# KiCad board 8851_HW-U1-VCU118_REV2-0_071417.kicad_pcb (continued)
## Routing (per net, layer and track width the routed paths; a pad name or vN(x,y) marks a point on that pad's centre or on a via; arc(x,y) is an arc through that point) (continued)
  17_GND w0.5: J31.3 15.15,97 ; J31.3 16.12,96.67 ; J31.3 14.18,94.74 ; J31.3 14.18,96.67 ; J31.3 15.15,94.4 ; J31.3 16.12,94.74 ; J31.3 13.85,95.7 ; J31.3 16.45,95.7 ; J32.5 61.83,107.45 ; J32.5 60.53,106.15 ; J32.5 59.56,108.42 ; J32.5 59.56,106.49 ; J32.5 61.49,108.42 ; J32.5 59.23,107.45 ; J32.5 61.49,106.49 ; J32.5 60.53,108.75 ; 78.73,132.45 J34.2 ; J34.2 80.99,131.49 ; J34.2 80.03,131.15 ; J34.2 81.33,132.45 ; J34.2 79.06,133.42 ; J34.2 80.03,133.75 ; J34.2 79.06,131.49 ; J34.2 80.99,133.42 ; J35.5 74.58,127.45 ; J35.5 74.24,126.49 ; J35.5 71.98,127.45 ; J35.5 73.28,128.75 ; J35.5 72.31,126.49 ; J35.5 73.28,126.15 ; J35.5 72.31,128.42 ; J35.5 74.24,128.42 ; 26.9,94.4 J30.3 ; J30.3 26.9,97 ; J30.3 27.87,96.67 ; J30.3 28.2,95.7 ; J30.3 25.93,96.67 ; J30.3 25.6,95.7 ; J30.3 27.87,94.74 ; J30.3 25.93,94.74 ; J33.5 60.53,97 ; J33.5 59.56,94.74 ; J33.5 59.56,96.67 ; J33.5 61.83,95.7 ; J33.5 61.49,94.74 ; J33.5 61.49,96.67 ; J33.5 60.53,94.4 ; J33.5 59.23,95.7 ; J35.3 69.58,127.45 ; J35.3 69.24,126.49 ; J35.3 67.31,128.42 ; J35.3 68.28,128.75 ; J35.3 66.98,127.45 ; J35.3 68.28,126.15 ; J35.3 69.24,128.42 ; J35.3 67.31,126.49 ; J31.4 21.12,99.74 ; J31.4 19.18,101.67 ; J31.4 21.12,101.67 ; J31.4 20.15,99.4 ; J31.4 19.18,99.74 ; J31.4 20.15,102 ; J31.4 21.45,100.7 ; J31.4 18.85,100.7 ; J30.2 28.2,100.7 ; J30.2 25.6,100.7 ; J30.2 25.93,101.67 ; J30.2 25.93,99.74 ; J30.2 26.9,102 ; J30.2 27.87,101.67 ; J30.2 27.87,99.74 ; J30.2 26.9,99.4 ; J34.5 85.99,126.49 ; J34.5 85.03,128.75 ; J34.5 84.06,126.49 ; J34.5 85.03,126.15 ; J34.5 86.33,127.45 ; J34.5 83.73,127.45 ; J34.5 85.99,128.42 ; J34.5 84.06,128.42 ; 60.53,99.4 J33.4 ; J33.4 59.56,101.67 ; J33.4 61.83,100.7 ; J33.4 61.49,99.74 ; J33.4 60.53,102 ; J33.4 59.23,100.7 ; J33.4 61.49,101.67 ; J33.4 59.56,99.74 ; 30.93,94.74 J30.5 ; J30.5 31.9,94.4 ; J30.5 30.93,96.67 ; J30.5 32.87,94.74 ; J30.5 33.2,95.7 ; J30.5 32.87,96.67 ; J30.5 31.9,97 ; J30.5 30.6,95.7 ; 19.18,96.67 J31.5 ; J31.5 21.12,94.74 ; J31.5 20.15,94.4 ; J31.5 20.15,97 ; J31.5 21.12,96.67 ; J31.5 18.85,95.7 ; J31.5 19.18,94.74 ; J31.5 21.45,95.7 ; J32.2 56.83,112.45 ; J32.2 55.53,111.15 ; J32.2 55.53,113.75 ; J32.2 54.56,111.49 ; J32.2 56.49,113.42 ; J32.2 56.49,111.49 ; J32.2 54.56,113.42 ; J32.2 54.23,112.45 ; J35.4 74.24,133.42 ; J35.4 74.58,132.45 ; J35.4 72.31,133.42 ; J35.4 71.98,132.45 ; J35.4 72.31,131.49 ; J35.4 74.24,131.49 ; J35.4 73.28,131.15 ; J35.4 73.28,133.75 ; 55.53,94.4 J33.3 ; J33.3 56.49,96.67 ; J33.3 54.23,95.7 ; J33.3 54.56,96.67 ; J33.3 56.49,94.74 ; J33.3 55.53,97 ; J33.3 56.83,95.7 ; J33.3 54.56,94.74 ; 54.23,100.7 J33.2 ; J33.2 54.56,99.74 ; J33.2 54.56,101.67 ; J33.2 55.53,99.4 ; J33.2 55.53,102 ; J33.2 56.49,99.74 ; J33.2 56.49,101.67 ; J33.2 56.83,100.7 ; 84.06,133.42 J34.4 ; J34.4 85.03,131.15 ; J34.4 83.73,132.45 ; J34.4 85.99,131.49 ; J34.4 85.99,133.42 ; J34.4 85.03,133.75 ; J34.4 86.33,132.45 ; J34.4 84.06,131.49 ; 79.06,128.42 J34.3 ; J34.3 80.99,128.42 ; J34.3 80.03,126.15 ; J34.3 78.73,127.45 ; J34.3 79.06,126.49 ; J34.3 81.33,127.45 ; J34.3 80.03,128.75 ; J34.3 80.99,126.49 ; J31.2 16.45,100.7 ; J31.2 14.18,101.67 ; J31.2 16.12,101.67 ; J31.2 13.85,100.7 ; J31.2 16.12,99.74 ; J31.2 14.18,99.74 ; J31.2 15.15,99.4 ; J31.2 15.15,102 ; 54.56,108.42 J32.3 ; J32.3 56.83,107.45 ; J32.3 55.53,106.15 ; J32.3 56.49,108.42 ; J32.3 55.53,108.75 ; J32.3 54.56,106.49 ; J32.3 54.23,107.45 ; J32.3 56.49,106.49 ; J30.4 32.87,101.67 ; J30.4 32.87,99.74 ; J30.4 33.2,100.7 ; J30.4 30.6,100.7 ; J30.4 30.93,99.74 ; J30.4 30.93,101.67 ; J30.4 31.9,99.4 ; J30.4 31.9,102 ; 59.56,113.42 J32.4 ; J32.4 61.49,111.49 ; J32.4 59.56,111.49 ; J32.4 60.53,113.75 ; J32.4 60.53,111.15 ; J32.4 61.83,112.45 ; J32.4 59.23,112.45 ; J32.4 61.49,113.42 ; J35.2 69.58,132.45 ; J35.2 67.31,133.42 ; J35.2 69.24,133.42 ; J35.2 68.28,131.15 ; J35.2 67.31,131.49 ; J35.2 69.24,131.49 ; J35.2 68.28,133.75 ; J35.2 66.98,132.45
  18_SIG6 w0.087: v3(52.74,76.92) 51.22,78.43 48.37,78.43 47.76,79.05 47.33,79.05 v3(43.85,82.53)
  18_SIG6 w0.375: 11.81,15.88 14.24,13.45 ; 11.81,15.88 11.81,19.24 ; 11.81,15.88 9.38,18.31 ; 11.81,15.88 15.17,15.88 ; 11.81,15.88 14.24,18.31 ; 11.81,15.88 11.81,12.52 ; 11.81,15.88 8.45,15.88 ; 11.81,15.88 9.38,13.45 ; 35.96,13.45 38.39,15.88 ; 38.39,15.88 35.02,15.88 ; 38.39,15.88 40.81,13.45 ; 11.81,41.05 14.24,38.62 ; 11.81,41.05 11.81,44.41 ; 11.81,41.05 15.17,41.05 ; 11.81,41.05 14.24,43.48 ; 11.81,41.05 9.38,38.62 ; 11.81,41.05 11.81,37.69 ; 11.81,41.05 8.45,41.05 ; 11.81,41.05 9.38,43.48 ; MH6.1 10.69,5.86 ; MH6.1 10.69,12.49 ; MH6.1 11.99,9.18 ; MH6.1 4.06,5.86 ; MH6.1 7.38,13.79 ; MH6.1 2.76,9.18 ; MH6.1 4.06,12.49 ; 7.38,56.39 7.38,59.75 ; 7.38,59.75 4.95,57.32 ; 7.38,59.75 4.02,59.75 ; 7.38,59.75 4.95,62.18 ; 7.38,59.75 9.81,57.32 ; 7.38,59.75 10.74,59.75 ; 7.38,59.75 9.81,62.18 ; 22.67,57.32 25.1,59.75 21.74,59.75 ; 18.24,18.31 20.67,15.88 ; 20.67,15.88 18.24,13.45 ; 20.67,15.88 23.1,18.31 ; 20.67,15.88 24.03,15.88 ; 20.67,15.88 20.67,19.24 ; 20.67,15.88 23.1,13.45 ; 20.67,15.88 17.31,15.88 ; 29.53,15.88 32.89,15.88 ; 29.53,15.88 27.1,13.45 ; 29.53,15.88 27.1,18.31 ; 29.53,15.88 31.96,13.45 ; 29.53,15.88 26.16,15.88 ; 235.81,19.64 MH5.1 232.5,20.94 ; 229.19,171.24 MH1.1 235.81,171.24 ; 4.06,96.54 MH7.1 ; MH7.1 7.38,97.84 ; MH7.1 2.76,93.22 ; MH7.1 4.06,89.91 ; MH7.1 7.38,88.61 ; 20.67,41.05 23.1,43.48 ; 20.67,41.05 18.24,38.62 ; 20.67,41.05 17.31,41.05 ; 20.67,41.05 23.1,38.62 ; 20.67,41.05 24.03,41.05 ; 20.67,41.05 20.67,37.69 ; 20.67,41.05 20.67,44.41 ; 20.67,41.05 18.24,43.48 ; 4.95,32.15 7.38,34.58 ; 7.38,34.58 10.74,34.58 ; 7.38,34.58 7.38,37.94 ; 7.38,34.58 9.81,32.15 ; 7.38,34.58 9.81,37.01 ; 7.38,34.58 4.02,34.58 ; 7.38,34.58 7.38,31.22 ; 7.38,34.58 4.95,37.01 ; 16.24,56.39 16.24,59.75 ; 16.24,59.75 12.88,59.75 ; 16.24,59.75 13.81,57.32 ; 16.24,59.75 18.67,57.32 ; 13.81,32.15 16.24,34.58 ; 16.24,34.58 13.81,37.01 ; 16.24,34.58 19.6,34.58 ; 16.24,34.58 12.88,34.58 ; 16.24,34.58 16.24,37.94 ; 16.24,34.58 18.67,32.15 ; 16.24,34.58 16.24,31.22 ; 16.24,34.58 18.67,37.01 ; 54.03,58.68 54.03,55.32 50.66,55.32 ; 22.67,37.01 25.1,34.58 ; 25.1,34.58 21.74,34.58 ; 25.1,34.58 22.67,32.15 ; 23.87,171.1 27.98,171.1 25.02,168.14
  19_GND w0.375: 25.46,126.16 26.51,126.16 ; 26.51,126.16 26.51,127.21 ; 26.51,126.16 25.72,126.95 ; 26.51,126.16 25.72,125.36 ; 26.51,126.16 27.3,126.95 ; 26.51,126.16 27.3,125.36 ; 26.51,126.16 26.51,125.11 ; 26.51,126.16 27.56,126.16 ; 195.12,14.25 195.12,15.3 ; 195.12,15.3 194.33,14.51 ; 195.12,15.3 195.12,16.35 ; 195.12,15.3 196.18,15.3 ; 195.12,15.3 195.92,14.51 ; 195.12,15.3 194.33,16.09 ; 195.12,15.3 195.92,16.09 ; J24.1 171.04,141.38 ; J24.1 169.46,141.38 ; J24.1 170.25,141.12 ; J24.1 169.46,142.97 ; J24.1 171.04,142.97 ; J24.1 170.25,143.23 ; J24.1 171.3,142.18 ; J24.1 169.2,142.18 ; 44.49,34.58 44.49,35.69 ; 44.49,34.58 45.32,33.74 ; 44.49,34.58 43.65,35.42 ; 44.49,34.58 45.32,35.42 ; 44.49,34.58 43.38,34.58 ; 44.49,34.58 43.65,33.74 ; 44.49,34.58 45.6,34.58 ; 44.49,34.58 44.49,33.47 ; 52.91,30.15 54.03,30.15 ; 54.03,30.15 54.86,30.99 ; 54.03,30.15 55.14,30.15 ; 54.03,30.15 53.19,30.99 ; 54.03,30.15 53.19,29.31 ; 54.03,30.15 54.03,31.26 ; 54.03,30.15 54.86,29.31 ; 54.03,30.15 54.03,29.04 ; 26.12,171.1 27.98,171.1 ; 27.98,171.1 29.84,171.1 ; 27.98,171.1 26.61,169.73 ; 210.02,134.9 211.22,134.9 ; 211.22,134.9 212.11,134 ; 211.22,134.9 211.22,136.1 ; 211.22,134.9 211.22,133.7 ; 211.22,134.9 212.42,134.9 ; 211.22,134.9 210.32,135.8 ; 211.22,134.9 210.32,134 ; 211.22,134.9 212.11,135.8 ; 225.05,62.92 225.05,63.97 ; 225.05,63.97 224.26,63.17 ; 225.05,63.97 224.26,64.76 ; 225.05,63.97 224,63.97 ; 225.05,63.97 225.84,63.17 ; 225.05,63.97 225.05,65.02 ; 225.05,63.97 225.84,64.76 ; 225.05,63.97 226.1,63.97 ; J105.6 102.24,126.32 ; J105.6 102.49,127.11 ; J105.6 100.65,126.32 ; J105.6 101.44,128.16 ; J105.6 101.44,126.06 ; J105.6 100.65,127.9 ; J105.6 102.24,127.9 ; J105.6 100.39,127.11 ; J25.1 221.67,17.22 ; J25.1 221.67,15.63 ; J25.1 220.08,15.63 ; J25.1 220.88,17.48 ; J25.1 219.82,16.43 ; J25.1 221.93,16.43 ; J25.1 220.08,17.22 ; J25.1 220.88,15.37 ; MH4.1 7.1,142.09 ; MH4.1 5.38,146.18 ; MH4.1 3.01,143.81 ; MH4.1 3.65,142.09 ; MH4.1 7.74,143.81 ; MH4.1 7.1,145.53 ; MH4.1 3.65,145.53 ; MH4.1 5.38,141.45 ; 229.3,36.77 230.09,35.98 ; 229.3,36.77 228.51,35.98 ; 229.3,36.77 228.25,36.77 ; 229.3,36.77 230.35,36.77 ; 229.3,36.77 230.09,37.56 ; 229.3,36.77 229.3,35.72 ; 229.3,36.77 228.51,37.56 ; 229.3,36.77 229.3,37.82 ; 229.3,44.27 230.35,44.27 ; 229.3,44.27 230.09,43.48 ; 229.3,44.27 228.51,45.06 ; 229.3,44.27 230.09,45.06 ; 229.3,44.27 229.3,45.32 ; 229.3,44.27 228.51,43.48 ; 229.3,44.27 228.25,44.27 ; 229.3,44.27 229.3,43.22 ; 15.4,60.59 16.24,59.75 ; 16.24,59.75 15.13,59.75 ; 16.24,59.75 17.08,58.91 ; 16.24,59.75 15.4,58.91 ; 16.24,59.75 16.24,60.86 ; 16.24,59.75 17.08,60.59 ; 16.24,59.75 16.24,58.64 ; 16.24,59.75 17.35,59.75 ; 33.96,34.58 34.79,35.42 ; 33.96,34.58 34.79,33.74 ; 33.96,34.58 35.07,34.58 ; 33.96,34.58 33.96,35.69 ; 33.96,34.58 32.84,34.58 ; 33.96,34.58 33.96,33.47 ; 33.96,34.58 33.12,35.42 ; 33.96,34.58 33.12,33.74 ; 19.83,41.89 20.67,41.05 ; 20.67,41.05 19.83,40.21 ; 20.67,41.05 20.67,42.16 ; 20.67,41.05 19.56,41.05 ; 20.67,41.05 21.78,41.05 ; 20.67,41.05 21.51,40.21 ; 20.67,41.05 20.67,39.94 ; 20.67,41.05 21.51,41.89 ; MH2.1 118.47,137.15 ; MH2.1 115.03,133.7 ; MH2.1 118.47,133.7 ; MH2.1 116.75,137.79 ; MH2.1 115.03,137.15 ; MH2.1 114.39,135.43 ; MH2.1 116.75,133.06 ; MH2.1 119.11,135.43 ; 233.75,80.17 234.8,80.17 ; 234.8,80.17 235.59,79.38 ; 234.8,80.17 234.01,80.97 ; 234.8,80.17 234.01,79.38 ; 234.8,80.17 234.8,81.23 ; 234.8,80.17 235.59,80.97 ; 234.8,80.17 234.8,79.12 ; 234.8,80.17 235.85,80.17 ; 24.58,87.85 24.58,88.9 ; 24.58,88.9 23.79,88.11 ; 24.58,88.9 23.79,89.69 ; 24.58,88.9 25.37,89.69 ; 24.58,88.9 25.37,88.11 ; 24.58,88.9 25.63,88.9 ; 24.58,88.9 24.58,89.95 ; 24.58,88.9 23.53,88.9 ; 44.07,171.1 45.93,171.1 ; 44.07,171.1 45.44,169.73 ; 44.07,171.1 42.21,171.1 ; J26.1 196.38,128.35 ; J26.1 197.17,128.09 ; J26.1 197.43,127.3 ; J26.1 195.58,128.09 ; J26.1 195.58,126.51 ; J26.1 197.17,126.51 ; J26.1 196.38,126.25 ; J26.1 195.32,127.3 ; 27.46,64.51 J36.1 ; J36.1 27.2,65.3 ; J36.1 29.04,64.51 ; J36.1 27.46,66.09 ; J36.1 29.04,66.09 ; J36.1 28.25,64.25 ; J36.1 28.25,66.35 ; J36.1 29.3,65.3 ; 10.7,41.05 11.81,41.05 ; 11.81,41.05 12.92,41.05 ; 11.81,41.05 12.65,41.89 ; 11.81,41.05 11.81,42.16 ; 11.81,41.05 10.97,41.89 ; 11.81,41.05 10.97,40.21 ; 11.81,41.05 12.65,40.21 ; 11.81,41.05 11.81,39.94 ; 25.1,34.58 25.94,33.74 ; 25.1,34.58 25.94,35.42 ; 25.1,34.58 26.21,34.58 ; 25.1,34.58 24.26,33.74 ; 25.1,34.58 24.26,35.42 ; 25.1,34.58 25.1,33.47 ; 25.1,34.58 25.1,35.69 ; 25.1,34.58 23.99,34.58 ; 52.91,48.24 54.03,48.24 ; 54.03,48.24 54.86,49.07 ; 54.03,48.24 54.03,47.12 ; 54.03,48.24 54.86,47.4 ; 54.03,48.24 54.03,49.35 ; 54.03,48.24 55.14,48.24 ; 54.03,48.24 53.19,47.4 ; 54.03,48.24 53.19,49.07 ; 33.96,58.64 33.96,59.75 ; 33.96,59.75 33.96,60.86 ; 33.96,59.75 33.12,60.59 ; 33.96,59.75 34.79,60.59 ; 33.96,59.75 32.84,59.75 ; 33.96,59.75 34.79,58.91 ; 33.96,59.75 33.12,58.91 ; 33.96,59.75 35.07,59.75 ; 10.9,102.95 10.9,104 ; 10.9,102.95 11.95,102.95 ; 10.9,102.95 9.85,102.95 ; 10.9,102.95 11.69,102.15 ; 10.9,102.95 11.69,103.74 ; 10.9,102.95 10.11,103.74 ; 10.9,102.95 10.9,101.9 ; 10.9,102.95 10.11,102.15 ; 229.3,33.22 229.3,34.27 ; 229.3,34.27 229.3,35.32 ; 229.3,34.27 230.35,34.27 ; 229.3,34.27 228.51,33.48 ; 229.3,34.27 230.09,35.06 ; 229.3,34.27 228.51,35.06 ; 229.3,34.27 228.25,34.27 ; 229.3,34.27 230.09,33.48 ; 38.39,15.88 39.22,15.04 ; 38.39,15.88 37.27,15.88 ; 38.39,15.88 37.55,15.04 ; 38.39,15.88 39.5,15.88 ; 38.39,15.88 38.39,14.77 ; 193.34,132.92 194.13,133.72 ; 193.34,132.92 193.34,133.97 ; 193.34,132.92 193.34,131.87 ; 193.34,132.92 194.39,132.92 ; 193.34,132.92 192.55,133.72 ; 193.34,132.92 194.13,132.13 ; 193.34,132.92 192.55,132.13 ; 193.34,132.92 192.29,132.92 ; 7.38,90.86 MH7.1 ; MH7.1 5.01,93.22 ; MH7.1 7.38,95.59 ; MH7.1 9.74,93.22 ; MH7.1 9.1,91.5 ; MH7.1 5.65,91.5 ; MH7.1 5.65,94.95 ; MH7.1 9.1,94.95 ; 20.67,14.77 20.67,15.88 ; 20.67,15.88 21.51,16.71 ; 20.67,15.88 20.67,16.99 ; 20.67,15.88 21.51,15.04 ; 20.67,15.88 19.83,16.71 ; 20.67,15.88 21.78,15.88 ; 20.67,15.88 19.56,15.88 ; 20.67,15.88 19.83,15.04 ; 29.53,41.05 29.53,42.16 ; 29.53,41.05 28.69,40.21 ; 29.53,41.05 30.36,40.21 ; 29.53,41.05 28.41,41.05 ; 29.53,41.05 28.69,41.89 ; 29.53,41.05 30.64,41.05 ; 29.53,41.05 29.53,39.94 ; 29.53,41.05 30.36,41.89 ; 207.86,133.34 208.75,132.44 ; 208.75,132.44 208.75,131.24 ; 208.75,132.44 207.86,131.54 ; 208.75,132.44 209.65,131.54 ; 208.75,132.44 207.55,132.44 ; 208.75,132.44 209.95,132.44 ; 208.75,132.44 208.75,133.64 ; 208.75,132.44 209.65,133.34 ; 129.25,18.69 MH3.1 ; MH3.1 127.53,22.77 ; MH3.1 126.89,21.05 ; MH3.1 127.53,19.33 ; MH3.1 130.97,19.33 ; MH3.1 130.97,22.77 ; MH3.1 131.61,21.05 ; MH3.1 129.25,23.41 ; 16.24,34.58 16.24,35.69 ; 16.24,34.58 15.4,33.74 ; 16.24,34.58 16.24,33.47 ; 16.24,34.58 15.4,35.42 ; 16.24,34.58 17.35,34.58 ; 16.24,34.58 17.08,33.74 ; 16.24,34.58 17.08,35.42 ; 16.24,34.58 15.13,34.58 ; J38.1 197.92,35.84 ; J38.1 197.12,34 ; J38.1 198.18,35.05 ; J38.1 196.33,35.84 ; J38.1 196.07,35.05 ; J38.1 196.33,34.26 ; J38.1 197.12,36.1 ; J38.1 197.92,34.26 ; 28.69,16.71 29.53,15.88 ; 29.53,15.88 30.64,15.88 ; 29.53,15.88 30.36,16.71 ; 29.53,15.88 28.41,15.88 ; 29.53,15.88 29.53,16.99 ; 29.53,15.88 28.69,15.04 ; 29.53,15.88 30.36,15.04 ; 29.53,15.88 29.53,14.77 ; 228.25,31.77 229.3,31.77 ; 229.3,31.77 229.3,32.82 ; 229.3,31.77 229.3,30.72 ; 229.3,31.77 230.35,31.77 ; 229.3,31.77 228.51,30.98 ; 229.3,31.77 228.51,32.56 ; 229.3,31.77 230.09,30.98 ; 229.3,31.77 230.09,32.56 ; 228.51,42.56 229.3,41.77 ; 229.3,41.77 229.3,40.72 ; 229.3,41.77 228.25,41.77 ; 229.3,41.77 229.3,42.82 ; 229.3,41.77 230.09,40.98 ; 229.3,41.77 230.09,42.56 ; 229.3,41.77 230.35,41.77 ; 229.3,41.77 228.51,40.98 ; 203.83,132.44 205.03,132.44 ; 203.83,132.44 203.83,133.64 ; 203.83,132.44 204.73,131.54 ; 203.83,132.44 202.63,132.44 ; 203.83,132.44 202.93,131.54 ; 203.83,132.44 204.73,133.34 ; 203.83,132.44 202.93,133.34 ; 203.83,132.44 203.83,131.24 ; 48.92,15.88 49.75,15.04 ; 48.92,15.88 48.08,16.71 ; 48.92,15.88 48.92,16.99 ; 48.92,15.88 48.92,14.77 ; 48.92,15.88 47.8,15.88 ; 48.92,15.88 50.03,15.88 ; 48.92,15.88 48.08,15.04 ; 48.92,15.88 49.75,16.71 ; 218.5,60.25 J23.1 ; J23.1 219.55,61.3 ; J23.1 217.45,61.3 ; J23.1 217.71,60.51 ; J23.1 218.5,62.35 ; J23.1 219.29,60.51 ; J23.1 217.71,62.09 ; J23.1 219.29,62.09 ; 7.38,58.64 7.38,59.75 ; 7.38,59.75 6.55,60.59 ; 7.38,59.75 8.49,59.75 ; 7.38,59.75 6.55,58.91 ; 7.38,59.75 8.22,58.91 ; 7.38,59.75 8.22,60.59 ; 7.38,59.75 7.38,60.86 ; 7.38,59.75 6.27,59.75 ; 11.81,15.88 12.92,15.88 ; 11.81,15.88 10.7,15.88 ; 11.81,15.88 12.65,15.04 ; 11.81,15.88 11.81,14.77 ; 11.81,15.88 11.81,16.99 ; 11.81,15.88 12.65,16.71 ; 11.81,15.88 10.97,15.04 ; 11.81,15.88 10.97,16.71 ; 48.92,39.94 48.92,41.05 ; 48.92,41.05 49.75,41.89 ; 48.92,41.05 47.8,41.05 ; 48.92,41.05 49.75,40.21 ; 48.92,41.05 48.08,41.89 ; 48.92,41.05 48.08,40.21 ; 48.92,41.05 50.03,41.05 ; 48.92,41.05 48.92,42.16 ; 228.51,38.48 229.3,39.27 ; 229.3,39.27 228.25,39.27 ; 229.3,39.27 228.51,40.06 ; 229.3,39.27 230.35,39.27 ; 229.3,39.27 229.3,40.32 ; 229.3,39.27 230.09,40.06 ; 229.3,39.27 229.3,38.22 ; 229.3,39.27 230.09,38.48 ; 53.19,54.49 54.03,55.32 ; 54.03,55.32 52.91,55.32 ; 54.03,55.32 54.03,56.43 ; 54.03,55.32 54.86,56.16 ; 54.03,55.32 54.03,54.21 ; 54.03,55.32 54.86,54.49 ; 54.03,55.32 53.19,56.16 ; 54.03,21.95 54.03,23.06 ; 54.03,23.06 53.19,23.9 ; 54.03,23.06 52.91,23.06 ; 54.03,23.06 53.19,22.23 ; 54.03,23.06 54.86,23.9 ; 54.03,23.06 54.03,24.18 ; 54.03,23.06 54.86,22.23 ; 54.03,23.06 55.14,23.06 ; J27.1 48,97.48 ; J27.1 48.79,97.22 ; J27.1 46.95,96.42 ; J27.1 49.05,96.42 ; J27.1 48,95.37 ; J27.1 47.21,97.22 ; J27.1 48.79,95.63 ; J27.1 47.21,95.63 ; 43.65,60.59 44.49,59.75 ; 44.49,59.75 45.6,59.75 ; 44.49,59.75 45.32,60.59 ; 44.49,59.75 43.38,59.75 ; 44.49,59.75 43.65,58.91 ; 44.49,59.75 44.49,60.86 ; 44.49,59.75 44.49,58.64 ; 44.49,59.75 45.32,58.91 ; 7.38,34.58 7.38,35.69 ; 7.38,34.58 8.22,35.42 ; 7.38,34.58 7.38,33.47 ; 7.38,34.58 6.55,35.42 ; 7.38,34.58 8.49,34.58 ; 7.38,34.58 8.22,33.74 ; 7.38,34.58 6.27,34.58 ; 7.38,34.58 6.55,33.74 ; 227.55,63.97 228.34,63.17 ; 227.55,63.97 228.6,63.97 ; 227.55,63.97 228.34,64.76 ; 227.55,63.97 227.55,65.02 ; 227.55,63.97 227.55,62.92 ; 227.55,63.97 226.5,63.97 ; 227.55,63.97 226.76,64.76 ; 227.55,63.97 226.76,63.17 ; 5.65,10.9 MH6.1 ; MH6.1 7.38,11.54 ; MH6.1 9.1,7.45 ; MH6.1 7.38,6.81 ; MH6.1 5.65,7.45 ; MH6.1 9.1,10.9 ; MH6.1 5.01,9.18 ; MH6.1 9.74,9.18 ; 232.3,80.17 232.3,81.23 ; 232.3,80.17 233.09,79.38 ; 232.3,80.17 231.25,80.17 ; 232.3,80.17 231.51,79.38 ; 232.3,80.17 231.51,80.97 ; 232.3,80.17 233.35,80.17 ; 232.3,80.17 232.3,79.12 ; 232.3,80.17 233.09,80.97 ; 230.14,167.93 MH1.1 ; MH1.1 232.5,165.56 ; MH1.1 230.78,169.65 ; MH1.1 234.86,167.93 ; MH1.1 232.5,170.29 ; MH1.1 234.22,169.65 ; MH1.1 230.78,166.2 ; MH1.1 234.22,166.2 ; 229.3,29.27 230.09,28.48 ; 229.3,29.27 228.51,28.48 ; 229.3,29.27 230.35,29.27 ; 229.3,29.27 228.51,30.06 ; 229.3,29.27 228.25,29.27 ; 229.3,29.27 230.09,30.06 ; 229.3,29.27 229.3,28.22 ; 229.3,29.27 229.3,30.32 ; 25.1,59.75 25.94,58.91 ; 25.1,59.75 25.1,58.64 ; 25.1,59.75 26.21,59.75 ; 25.1,59.75 25.94,60.59 ; 25.1,59.75 23.99,59.75 ; 25.1,59.75 24.26,58.91 ; 25.1,59.75 24.26,60.59 ; 25.1,59.75 25.1,60.86 ; 38.39,41.05 39.22,40.21 ; 38.39,41.05 39.5,41.05 ; 38.39,41.05 38.39,39.94 ; 38.39,41.05 37.27,41.05 ; 38.39,41.05 37.55,40.21 ; 230.14,16.33 MH5.1 ; MH5.1 232.5,13.96 ; MH5.1 234.22,18.05 ; MH5.1 234.86,16.33 ; MH5.1 234.22,14.6 ; MH5.1 230.78,18.05 ; MH5.1 232.5,18.69 ; MH5.1 230.78,14.6
  19_GND w0.5: J32.5 61.49,106.49 ; J32.5 60.53,106.15 ; J32.5 59.23,107.45 ; J32.5 59.56,108.42 ; J32.5 61.49,108.42 ; J32.5 60.53,108.75 ; J32.5 59.56,106.49 ; J32.5 61.83,107.45 ; 68.28,126.15 J35.3 ; J35.3 67.31,126.49 ; J35.3 68.28,128.75 ; J35.3 69.24,126.49 ; J35.3 69.58,127.45 ; J35.3 67.31,128.42 ; J35.3 69.24,128.42 ; J35.3 66.98,127.45 ; 54.56,111.49 J32.2 ; J32.2 56.49,111.49 ; J32.2 54.56,113.42 ; J32.2 54.23,112.45 ; J32.2 55.53,111.15 ; J32.2 56.49,113.42 ; J32.2 55.53,113.75 ; J32.2 56.83,112.45 ; J33.5 60.53,97 ; J33.5 59.56,94.74 ; J33.5 60.53,94.4 ; J33.5 61.49,94.74 ; J33.5 61.49,96.67 ; J33.5 59.56,96.67 ; J33.5 59.23,95.7 ; J33.5 61.83,95.7 ; J30.5 32.87,96.67 ; J30.5 30.93,96.67 ; J30.5 31.9,94.4 ; J30.5 33.2,95.7 ; J30.5 30.6,95.7 ; J30.5 30.93,94.74 ; J30.5 31.9,97 ; J30.5 32.87,94.74 ; 25.93,94.74 J30.3 ; J30.3 26.9,97 ; J30.3 28.2,95.7 ; J30.3 25.6,95.7 ; J30.3 27.87,94.74 ; J30.3 27.87,96.67 ; J30.3 26.9,94.4 ; J30.3 25.93,96.67 ; 83.73,127.45 J34.5 ; J34.5 84.06,128.42 ; J34.5 85.99,128.42 ; J34.5 85.03,128.75 ; J34.5 86.33,127.45 ; J34.5 85.99,126.49 ; J34.5 84.06,126.49 ; J34.5 85.03,126.15 ; J33.3 56.83,95.7 ; J33.3 54.56,96.67 ; J33.3 54.56,94.74 ; J33.3 56.49,94.74 ; J33.3 54.23,95.7 ; J33.3 56.49,96.67 ; J33.3 55.53,94.4 ; J33.3 55.53,97 ; 26.9,99.4 J30.2 ; J30.2 26.9,102 ; J30.2 28.2,100.7 ; J30.2 25.93,101.67 ; J30.2 27.87,101.67 ; J30.2 27.87,99.74 ; J30.2 25.6,100.7 ; J30.2 25.93,99.74 ; 59.23,112.45 J32.4 ; J32.4 60.53,113.75 ; J32.4 61.83,112.45 ; J32.4 61.49,111.49 ; J32.4 60.53,111.15 ; J32.4 61.49,113.42 ; J32.4 59.56,111.49 ; J32.4 59.56,113.42 ; 72.31,133.42 J35.4 ; J35.4 74.58,132.45 ; J35.4 73.28,131.15 ; J35.4 74.24,131.49 ; J35.4 72.31,131.49 ; J35.4 71.98,132.45 ; J35.4 74.24,133.42 ; J35.4 73.28,133.75 ; 59.56,101.67 J33.4 ; J33.4 61.49,99.74 ; J33.4 59.56,99.74 ; J33.4 60.53,102 ; J33.4 59.23,100.7 ; J33.4 61.49,101.67 ; J33.4 61.83,100.7 ; J33.4 60.53,99.4 ; J31.4 20.15,102 ; J31.4 19.18,99.74 ; J31.4 20.15,99.4 ; J31.4 18.85,100.7 ; J31.4 21.12,101.67 ; J31.4 21.45,100.7 ; J31.4 19.18,101.67 ; J31.4 21.12,99.74 ; J34.4 85.99,133.42 ; J34.4 85.03,133.75 ; J34.4 86.33,132.45 ; J34.4 85.03,131.15 ; J34.4 84.06,133.42 ; J34.4 85.99,131.49 ; J34.4 84.06,131.49 ; J34.4 83.73,132.45 ; J31.5 21.12,94.74 ; J31.5 19.18,94.74 ; J31.5 21.45,95.7 ; J31.5 19.18,96.67 ; J31.5 20.15,94.4 ; J31.5 21.12,96.67 ; J31.5 20.15,97 ; J31.5 18.85,95.7 ; 15.15,99.4 J31.2 ; J31.2 16.12,101.67 ; J31.2 16.12,99.74 ; J31.2 13.85,100.7 ; J31.2 14.18,101.67 ; J31.2 15.15,102 ; J31.2 14.18,99.74 ; J31.2 16.45,100.7 ; 30.93,101.67 J30.4 ; J30.4 32.87,99.74 ; J30.4 31.9,99.4 ; J30.4 32.87,101.67 ; J30.4 31.9,102 ; J30.4 30.93,99.74 ; J30.4 33.2,100.7 ; J30.4 30.6,100.7 ; J34.2 80.99,131.49 ; J34.2 79.06,133.42 ; J34.2 80.03,133.75 ; J34.2 78.73,132.45 ; J34.2 80.03,131.15 ; J34.2 81.33,132.45 ; J34.2 80.99,133.42 ; J34.2 79.06,131.49 ; 15.15,94.4 J31.3 ; J31.3 16.12,94.74 ; J31.3 14.18,94.74 ; J31.3 14.18,96.67 ; J31.3 16.45,95.7 ; J31.3 16.12,96.67 ; J31.3 15.15,97 ; J31.3 13.85,95.7 ; J35.2 69.24,131.49 ; J35.2 68.28,133.75 ; J35.2 66.98,132.45 ; J35.2 67.31,131.49 ; J35.2 69.58,132.45 ; J35.2 69.24,133.42 ; J35.2 67.31,133.42 ; J35.2 68.28,131.15 ; 73.28,126.15 J35.5 ; J35.5 71.98,127.45 ; J35.5 72.31,128.42 ; J35.5 72.31,126.49 ; J35.5 74.58,127.45 ; J35.5 74.24,126.49 ; J35.5 74.24,128.42 ; J35.5 73.28,128.75 ; 80.03,126.15 J34.3 ; J34.3 78.73,127.45 ; J34.3 81.33,127.45 ; J34.3 80.99,128.42 ; J34.3 80.99,126.49 ; J34.3 79.06,128.42 ; J34.3 80.03,128.75 ; J34.3 79.06,126.49 ; 55.53,99.4 J33.2 ; J33.2 56.83,100.7 ; J33.2 55.53,102 ; J33.2 54.56,101.67 ; J33.2 56.49,99.74 ; J33.2 54.56,99.74 ; J33.2 56.49,101.67 ; J33.2 54.23,100.7 ; 54.56,108.42 J32.3 ; J32.3 55.53,108.75 ; J32.3 54.56,106.49 ; J32.3 56.49,108.42 ; J32.3 56.83,107.45 ; J32.3 54.23,107.45 ; J32.3 55.53,106.15 ; J32.3 56.49,106.49
  20_SIG7 w0.375: 22.67,37.01 25.1,34.58 ; 25.1,34.58 22.67,32.15 ; 25.1,34.58 27.53,32.15 ; 25.1,34.58 21.74,34.58 ; 25.1,34.58 25.1,37.94 ; 25.1,34.58 27.53,37.01 ; 25.1,34.58 25.1,31.22 ; 4.95,57.32 7.38,59.75 ; 7.38,59.75 9.81,57.32 ; 7.38,59.75 9.81,62.18 ; 7.38,59.75 7.38,56.39 ; 7.38,59.75 4.95,62.18 ; 7.38,59.75 4.02,59.75 ; 7.38,59.75 10.74,59.75 ; 20.67,15.88 24.03,15.88 ; 20.67,15.88 18.24,13.45 ; 20.67,15.88 17.31,15.88 ; 20.67,15.88 23.1,13.45 ; 20.67,15.88 18.24,18.31 ; 20.67,15.88 20.67,19.24 ; 20.67,15.88 23.1,18.31 ; 7.38,34.58 9.81,32.15 ; 7.38,34.58 10.74,34.58 ; 7.38,34.58 4.95,32.15 ; 7.38,34.58 7.38,31.22 ; 7.38,34.58 4.95,37.01 ; 7.38,34.58 7.38,37.94 ; 7.38,34.58 9.81,37.01 ; 7.38,34.58 4.02,34.58 ; 229.19,19.64 MH5.1 ; MH5.1 227.89,16.33 ; MH5.1 235.81,19.64 ; MH5.1 232.5,20.94 ; 21.74,59.75 25.1,59.75 ; 25.1,59.75 22.67,57.32 ; 25.1,59.75 27.53,57.32 ; 25.1,59.75 25.1,56.39 ; J25.1 223.26,18.81 ; J25.1 218.49,18.81 ; J25.1 224.18,16.43 ; J25.1 220.88,19.73 ; J25.1 223.26,14.04 ; 27.1,18.31 29.53,15.88 ; 29.53,15.88 31.96,13.45 ; 29.53,15.88 27.1,13.45 ; 29.53,15.88 26.16,15.88 ; 8.45,41.05 11.81,41.05 ; 11.81,41.05 15.17,41.05 ; 11.81,41.05 14.24,43.48 ; 11.81,41.05 14.24,38.62 ; 11.81,41.05 9.38,43.48 ; 11.81,41.05 11.81,44.41 ; 11.81,41.05 9.38,38.62 ; 11.81,41.05 11.81,37.69 ; 8.45,15.88 11.81,15.88 ; 11.81,15.88 14.24,18.31 ; 11.81,15.88 9.38,13.45 ; 11.81,15.88 15.17,15.88 ; 11.81,15.88 14.24,13.45 ; 11.81,15.88 9.38,18.31 ; 11.81,15.88 11.81,12.52 ; 11.81,15.88 11.81,19.24 ; 17.31,41.05 20.67,41.05 ; 20.67,41.05 24.03,41.05 ; 20.67,41.05 20.67,37.69 ; 20.67,41.05 23.1,43.48 ; 20.67,41.05 20.67,44.41 ; 20.67,41.05 18.24,38.62 ; 20.67,41.05 23.1,38.62 ; 20.67,41.05 18.24,43.48 ; 51.3,96.42 J27.1 45.62,98.81 ; 23.87,171.1 27.98,171.1 25.02,168.14 ; 16.24,31.22 16.24,34.58 ; 16.24,34.58 12.88,34.58 ; 16.24,34.58 18.67,37.01 ; 16.24,34.58 13.81,32.15 ; 16.24,34.58 19.6,34.58 ; 16.24,34.58 16.24,37.94 ; 16.24,34.58 13.81,37.01 ; 16.24,34.58 18.67,32.15 ; MH6.1 11.99,9.18 ; MH6.1 4.06,12.49 ; MH6.1 10.69,5.86 ; MH6.1 2.76,9.18 ; MH6.1 10.69,12.49 ; MH6.1 7.38,13.79 ; MH6.1 4.06,5.86 ; 4.06,96.54 MH7.1 ; MH7.1 4.06,89.91 ; MH7.1 2.76,93.22 ; MH7.1 7.38,97.84 ; MH7.1 7.38,88.61 ; MH7.1 11.99,93.22 ; MH7.1 10.69,96.54 ; MH7.1 10.69,89.91 ; 26.16,41.05 29.53,41.05 ; 29.53,41.05 27.1,43.48 ; 29.53,41.05 27.1,38.62 ; 170.25,145.48 J24.1 172.63,144.56 ; 16.24,56.39 16.24,59.75 ; 16.24,59.75 12.88,59.75 ; 16.24,59.75 18.67,57.32 ; 16.24,59.75 13.81,57.32 ; 235.81,171.24 MH1.1 229.19,171.24
  20_SIG7 w0.5: 52.97,98.27 J33.3 ; J33.3 52.97,93.14 ; J33.3 51.98,95.7 ; 17.59,93.14 J31.5 20.15,92.15 ; J31.3 17.71,93.14 ; J31.3 12.59,93.14 ; J31.3 15.15,92.15 ; J31.3 11.6,95.7 ; 52.97,103.27 J33.2 52.97,98.14 ; 73.28,136 J35.4 75.84,135.02
  21_GND w0.375: 229.3,39.27 230.35,39.27 ; 229.3,39.27 228.51,40.06 ; 229.3,39.27 229.3,40.32 ; 229.3,39.27 230.09,38.48 ; 229.3,39.27 228.25,39.27 ; 229.3,39.27 228.51,38.48 ; 229.3,39.27 229.3,38.22 ; 229.3,39.27 230.09,40.06 ; J36.1 29.3,65.3 ; J36.1 29.04,66.09 ; J36.1 28.25,64.25 ; J36.1 27.46,66.09 ; J36.1 27.2,65.3 ; J36.1 27.46,64.51 ; J36.1 29.04,64.51 ; J36.1 28.25,66.35 ; 19.83,41.89 20.67,41.05 ; 20.67,41.05 21.51,40.21 ; 20.67,41.05 21.78,41.05 ; 20.67,41.05 19.83,40.21 ; 20.67,41.05 19.56,41.05 ; 20.67,41.05 21.51,41.89 ; 20.67,41.05 20.67,39.94 ; 20.67,41.05 20.67,42.16 ; 208.75,131.24 208.75,132.44 ; 208.75,132.44 209.65,131.54 ; 208.75,132.44 208.75,133.64 ; 208.75,132.44 207.86,133.34 ; 208.75,132.44 209.65,133.34 ; 208.75,132.44 207.86,131.54 ; 208.75,132.44 207.55,132.44 ; 208.75,132.44 209.95,132.44 ; 9.85,102.95 10.9,102.95 ; 10.9,102.95 11.69,102.15 ; 10.9,102.95 10.11,103.74 ; 10.9,102.95 10.9,104 ; 10.9,102.95 11.95,102.95 ; 10.9,102.95 11.69,103.74 ; 10.9,102.95 10.9,101.9 ; 10.9,102.95 10.11,102.15 ; 5.38,141.45 MH4.1 ; MH4.1 5.38,146.18 ; MH4.1 3.65,145.53 ; MH4.1 7.74,143.81 ; MH4.1 7.1,142.09 ; MH4.1 7.1,145.53 ; MH4.1 3.01,143.81 ; MH4.1 3.65,142.09 ; J38.1 197.12,36.1 ; J38.1 197.92,34.26 ; J38.1 196.33,34.26 ; J38.1 196.33,35.84 ; J38.1 197.12,34 ; J38.1 197.92,35.84 ; J38.1 196.07,35.05 ; J38.1 198.18,35.05 ; 53.19,23.9 54.03,23.06 ; 54.03,23.06 54.86,23.9 ; 54.03,23.06 52.91,23.06 ; 54.03,23.06 54.03,24.18 ; 54.03,23.06 55.14,23.06 ; 54.03,23.06 53.19,22.23 ; 54.03,23.06 54.86,22.23 ; 54.03,23.06 54.03,21.95 ; 16.24,59.75 17.08,60.59 ; 16.24,59.75 15.4,58.91 ; 16.24,59.75 16.24,60.86 ; 16.24,59.75 15.13,59.75 ; 16.24,59.75 17.08,58.91 ; 16.24,59.75 17.35,59.75 ; 16.24,59.75 16.24,58.64 ; 16.24,59.75 15.4,60.59 ; 228.25,44.27 229.3,44.27 ; 229.3,44.27 229.3,45.32 ; 229.3,44.27 228.51,43.48 ; 229.3,44.27 230.09,45.06 ; 229.3,44.27 230.35,44.27 ; 229.3,44.27 229.3,43.22 ; 229.3,44.27 230.09,43.48 ; 229.3,44.27 228.51,45.06 ; 228.51,35.06 229.3,34.27 ; 229.3,34.27 230.09,35.06 ; 229.3,34.27 228.25,34.27 ; 229.3,34.27 229.3,35.32 ; 229.3,34.27 228.51,33.48 ; 229.3,34.27 230.09,33.48 ; 229.3,34.27 229.3,33.22 ; 229.3,34.27 230.35,34.27 ; MH6.1 9.1,7.45 ; MH6.1 5.65,10.9 ; MH6.1 5.65,7.45 ; MH6.1 7.38,11.54 ; MH6.1 5.01,9.18 ; MH6.1 9.1,10.9 ; MH6.1 9.74,9.18 ; MH6.1 7.38,6.81 ; MH2.1 118.47,137.15 ; MH2.1 115.03,133.7 ; MH2.1 118.47,133.7 ; MH2.1 115.03,137.15 ; MH2.1 119.11,135.43 ; MH2.1 116.75,137.79 ; MH2.1 116.75,133.06 ; MH2.1 114.39,135.43 ; 44.49,59.75 45.32,58.91 ; 44.49,59.75 43.38,59.75 ; 44.49,59.75 45.32,60.59 ; 44.49,59.75 45.6,59.75 ; 44.49,59.75 44.49,60.86 ; 44.49,59.75 44.49,58.64 ; 44.49,59.75 43.65,58.91 ; 44.49,59.75 43.65,60.59 ; 24.58,87.85 24.58,88.9 ; 24.58,88.9 23.53,88.9 ; 24.58,88.9 25.37,89.69 ; 24.58,88.9 25.37,88.11 ; 24.58,88.9 23.79,88.11 ; 24.58,88.9 24.58,89.95 ; 24.58,88.9 23.79,89.69 ; 24.58,88.9 25.63,88.9 ; 33.12,33.74 33.96,34.58 ; 33.96,34.58 34.79,35.42 ; 33.96,34.58 32.84,34.58 ; 33.96,34.58 34.79,33.74 ; 33.96,34.58 33.96,33.47 ; 33.96,34.58 33.12,35.42 ; 33.96,34.58 33.96,35.69 ; 33.96,34.58 35.07,34.58 ; 53.19,47.4 54.03,48.24 ; 54.03,48.24 54.86,49.07 ; 54.03,48.24 55.14,48.24 ; 54.03,48.24 54.86,47.4 ; 54.03,48.24 54.03,49.35 ; 54.03,48.24 52.91,48.24 ; 54.03,48.24 54.03,47.12 ; 54.03,48.24 53.19,49.07 ; 48.92,41.05 49.75,41.89 ; 48.92,41.05 50.03,41.05 ; 48.92,41.05 48.92,42.16 ; 48.92,41.05 48.08,41.89 ; 48.92,41.05 48.08,40.21 ; 48.92,41.05 48.92,39.94 ; 48.92,41.05 49.75,40.21 ; 48.92,41.05 47.8,41.05 ; 196.38,126.25 J26.1 ; J26.1 197.17,126.51 ; J26.1 195.58,126.51 ; J26.1 196.38,128.35 ; J26.1 197.17,128.09 ; J26.1 197.43,127.3 ; J26.1 195.58,128.09 ; J26.1 195.32,127.3 ; MH3.1 131.61,21.05 ; MH3.1 126.89,21.05 ; MH3.1 130.97,22.77 ; MH3.1 127.53,22.77 ; MH3.1 129.25,18.69 ; MH3.1 127.53,19.33 ; MH3.1 129.25,23.41 ; MH3.1 130.97,19.33 ; 20.67,15.88 21.51,16.71 ; 20.67,15.88 19.83,16.71 ; 20.67,15.88 21.51,15.04 ; 20.67,15.88 21.78,15.88 ; 20.67,15.88 20.67,14.77 ; 20.67,15.88 19.83,15.04 ; 20.67,15.88 19.56,15.88 ; 20.67,15.88 20.67,16.99 ; MH7.1 9.1,91.5 ; MH7.1 7.38,95.59 ; MH7.1 9.1,94.95 ; MH7.1 9.74,93.22 ; MH7.1 5.65,91.5 ; MH7.1 5.01,93.22 ; MH7.1 7.38,90.86 ; MH7.1 5.65,94.95 ; J105.6 102.24,126.32 ; J105.6 100.39,127.11 ; J105.6 102.24,127.9 ; J105.6 100.65,127.9 ; J105.6 101.44,126.06 ; J105.6 101.44,128.16 ; J105.6 100.65,126.32 ; J105.6 102.49,127.11 ; 211.22,134.9 212.11,134 ; 211.22,134.9 210.32,135.8 ; 211.22,134.9 212.11,135.8 ; 211.22,134.9 211.22,136.1 ; 211.22,134.9 211.22,133.7 ; 211.22,134.9 210.32,134 ; 211.22,134.9 210.02,134.9 ; 211.22,134.9 212.42,134.9 ; 194.33,16.09 195.12,15.3 ; 195.12,15.3 195.92,14.51 ; 195.12,15.3 196.18,15.3 ; 195.12,15.3 194.33,14.51 ; 195.12,15.3 195.12,16.35 ; 195.12,15.3 195.12,14.25 ; 195.12,15.3 195.92,16.09 ; 37.55,15.04 38.39,15.88 ; 38.39,15.88 38.39,14.77 ; 38.39,15.88 39.22,15.04 ; 38.39,15.88 37.27,15.88 ; 38.39,15.88 39.5,15.88 ; 26.51,126.16 27.3,125.36 ; 26.51,126.16 27.56,126.16 ; 26.51,126.16 25.72,125.36 ; 26.51,126.16 26.51,127.21 ; 26.51,126.16 25.46,126.16 ; 26.51,126.16 26.51,125.11 ; 26.51,126.16 27.3,126.95 ; 26.51,126.16 25.72,126.95 ; 193.34,132.92 193.34,133.97 ; 193.34,132.92 192.29,132.92 ; 193.34,132.92 194.13,132.13 ; 193.34,132.92 194.39,132.92 ; 193.34,132.92 192.55,133.72 ; 193.34,132.92 192.55,132.13 ; 193.34,132.92 193.34,131.87 ; 193.34,132.92 194.13,133.72 ; 229.3,29.27 230.09,30.06 ; 229.3,29.27 229.3,28.22 ; 229.3,29.27 228.25,29.27 ; 229.3,29.27 228.51,28.48 ; 229.3,29.27 229.3,30.32 ; 229.3,29.27 228.51,30.06 ; 229.3,29.27 230.09,28.48 ; 229.3,29.27 230.35,29.27 ; 25.1,59.75 25.94,60.59 ; 25.1,59.75 24.26,58.91 ; 25.1,59.75 25.1,58.64 ; 25.1,59.75 26.21,59.75 ; 25.1,59.75 25.1,60.86 ; 25.1,59.75 25.94,58.91 ; 25.1,59.75 23.99,59.75 ; 25.1,59.75 24.26,60.59 ; 227.55,63.97 227.55,65.02 ; 227.55,63.97 226.5,63.97 ; 227.55,63.97 228.6,63.97 ; 227.55,63.97 228.34,63.17 ; 227.55,63.97 227.55,62.92 ; 227.55,63.97 228.34,64.76 ; 227.55,63.97 226.76,63.17 ; 227.55,63.97 226.76,64.76 ; MH5.1 234.22,18.05 ; MH5.1 230.78,18.05 ; MH5.1 234.86,16.33 ; MH5.1 232.5,18.69 ; MH5.1 230.78,14.6 ; MH5.1 234.22,14.6 ; MH5.1 230.14,16.33 ; MH5.1 232.5,13.96 ; 231.25,80.17 232.3,80.17 ; 232.3,80.17 232.3,81.23 ; 232.3,80.17 231.51,80.97 ; 232.3,80.17 233.35,80.17 ; 232.3,80.17 232.3,79.12 ; 232.3,80.17 233.09,80.97 ; 232.3,80.17 231.51,79.38 ; 232.3,80.17 233.09,79.38 ; 220.08,17.22 J25.1 ; J25.1 220.88,17.48 ; J25.1 221.67,17.22 ; J25.1 221.67,15.63 ; J25.1 220.08,15.63 ; J25.1 220.88,15.37 ; J25.1 219.82,16.43 ; J25.1 221.93,16.43 ; 224.26,63.17 225.05,63.97 ; 225.05,63.97 225.05,62.92 ; 225.05,63.97 224.26,64.76 ; 225.05,63.97 224,63.97 ; 225.05,63.97 225.05,65.02 ; 225.05,63.97 226.1,63.97 ; 225.05,63.97 225.84,64.76 ; 225.05,63.97 225.84,63.17 ; 11.81,41.05 12.92,41.05 ; 11.81,41.05 10.97,40.21 ; 11.81,41.05 10.7,41.05 ; 11.81,41.05 12.65,41.89 ; 11.81,41.05 12.65,40.21 ; 11.81,41.05 11.81,42.16 ; 11.81,41.05 11.81,39.94 ; 11.81,41.05 10.97,41.89 ; 16.24,34.58 17.08,33.74 ; 16.24,34.58 15.13,34.58 ; 16.24,34.58 15.4,33.74 ; 16.24,34.58 15.4,35.42 ; 16.24,34.58 16.24,35.69 ; 16.24,34.58 16.24,33.47 ; 16.24,34.58 17.08,35.42 ; 16.24,34.58 17.35,34.58 ; 203.83,132.44 203.83,133.64 ; 203.83,132.44 203.83,131.24 ; 203.83,132.44 202.93,133.34 ; 203.83,132.44 204.73,133.34 ; 203.83,132.44 204.73,131.54 ; 203.83,132.44 205.03,132.44 ; 203.83,132.44 202.93,131.54 ; 203.83,132.44 202.63,132.44 ; 217.71,60.51 J23.1 ; J23.1 219.29,62.09 ; J23.1 219.55,61.3 ; J23.1 217.71,62.09 ; J23.1 218.5,62.35 ; J23.1 219.29,60.51 ; J23.1 217.45,61.3 ; J23.1 218.5,60.25 ; 26.61,169.73 27.98,171.1 ; 27.98,171.1 29.84,171.1 ; 27.98,171.1 26.12,171.1 ; 7.38,34.58 8.22,33.74 ; 7.38,34.58 8.49,34.58 ; 7.38,34.58 6.27,34.58 ; 7.38,34.58 7.38,35.69 ; 7.38,34.58 7.38,33.47 ; 7.38,34.58 8.22,35.42 ; 7.38,34.58 6.55,35.42 ; 7.38,34.58 6.55,33.74 ; 233.75,80.17 234.8,80.17 ; 234.8,80.17 235.85,80.17 ; 234.8,80.17 235.59,79.38 ; 234.8,80.17 234.01,80.97 ; 234.8,80.17 235.59,80.97 ; 234.8,80.17 234.8,81.23 ; 234.8,80.17 234.01,79.38 ; 234.8,80.17 234.8,79.12 ; J24.1 171.04,141.38 ; J24.1 169.2,142.18 ; J24.1 169.46,142.97 ; J24.1 170.25,143.23 ; J24.1 170.25,141.12 ; J24.1 169.46,141.38 ; J24.1 171.3,142.18 ; J24.1 171.04,142.97 ; 54.03,55.32 54.03,56.43 ; 54.03,55.32 54.03,54.21 ; 54.03,55.32 54.86,56.16 ; 54.03,55.32 52.91,55.32 ; 54.03,55.32 53.19,56.16 ; 54.03,55.32 54.86,54.49 ; 54.03,55.32 53.19,54.49 ; 24.26,33.74 25.1,34.58 ; 25.1,34.58 25.94,35.42 ; 25.1,34.58 23.99,34.58 ; 25.1,34.58 25.1,35.69 ; 25.1,34.58 25.94,33.74 ; 25.1,34.58 25.1,33.47 ; 25.1,34.58 24.26,35.42 ; 25.1,34.58 26.21,34.58 ; 47.21,97.22 J27.1 ; J27.1 49.05,96.42 ; J27.1 48.79,95.63 ; J27.1 47.21,95.63 ; J27.1 48.79,97.22 ; J27.1 48,95.37 ; J27.1 46.95,96.42 ; J27.1 48,97.48 ; 229.3,41.77 230.09,42.56 ; 229.3,41.77 228.25,41.77 ; 229.3,41.77 230.09,40.98 ; 229.3,41.77 229.3,40.72 ; 229.3,41.77 228.51,40.98 ; 229.3,41.77 228.51,42.56 ; 229.3,41.77 230.35,41.77 ; 229.3,41.77 229.3,42.82 ; 10.7,15.88 11.81,15.88 ; 11.81,15.88 11.81,14.77 ; 11.81,15.88 12.65,15.04 ; 11.81,15.88 10.97,15.04 ; 11.81,15.88 12.65,16.71 ; 11.81,15.88 11.81,16.99 ; 11.81,15.88 12.92,15.88 ; 11.81,15.88 10.97,16.71 ; 29.53,41.05 29.53,42.16 ; 29.53,41.05 28.41,41.05 ; 29.53,41.05 30.64,41.05 ; 29.53,41.05 28.69,41.89 ; 29.53,41.05 30.36,40.21 ; 29.53,41.05 30.36,41.89 ; 29.53,41.05 28.69,40.21 ; 29.53,41.05 29.53,39.94 ; 228.51,30.98 229.3,31.77 ; 229.3,31.77 230.09,32.56 ; 229.3,31.77 230.09,30.98 ; 229.3,31.77 229.3,32.82 ; 229.3,31.77 228.51,32.56 ; 229.3,31.77 230.35,31.77 ; 229.3,31.77 228.25,31.77 ; 229.3,31.77 229.3,30.72 ; 44.49,34.58 44.49,35.69 ; 44.49,34.58 45.6,34.58 ; 44.49,34.58 45.32,33.74 ; 44.49,34.58 44.49,33.47 ; 44.49,34.58 43.65,33.74 ; 44.49,34.58 43.65,35.42 ; 44.49,34.58 45.32,35.42 ; 44.49,34.58 43.38,34.58 ; 48.08,16.71 48.92,15.88 ; 48.92,15.88 48.92,16.99 ; 48.92,15.88 48.92,14.77 ; 48.92,15.88 49.75,15.04 ; 48.92,15.88 50.03,15.88 ; 48.92,15.88 48.08,15.04 ; 48.92,15.88 49.75,16.71 ; 48.92,15.88 47.8,15.88 ; 28.69,16.71 29.53,15.88 ; 29.53,15.88 30.36,16.71 ; 29.53,15.88 28.69,15.04 ; 29.53,15.88 30.36,15.04 ; 29.53,15.88 28.41,15.88 ; 29.53,15.88 29.53,16.99 ; 29.53,15.88 30.64,15.88 ; 29.53,15.88 29.53,14.77 ; 6.55,60.59 7.38,59.75 ; 7.38,59.75 6.55,58.91 ; 7.38,59.75 8.22,58.91 ; 7.38,59.75 8.49,59.75 ; 7.38,59.75 7.38,58.64 ; 7.38,59.75 6.27,59.75 ; 7.38,59.75 7.38,60.86 ; 7.38,59.75 8.22,60.59 ; 38.39,41.05 39.5,41.05 ; 38.39,41.05 37.27,41.05 ; 38.39,41.05 37.55,40.21 ; 38.39,41.05 39.22,40.21 ; 38.39,41.05 38.39,39.94 ; 33.96,59.75 34.79,60.59 ; 33.96,59.75 35.07,59.75 ; 33.96,59.75 34.79,58.91 ; 33.96,59.75 32.84,59.75 ; 33.96,59.75 33.96,58.64 ; 33.96,59.75 33.12,60.59 ; 33.96,59.75 33.96,60.86 ; 33.96,59.75 33.12,58.91 ; 229.3,36.77 229.3,37.82 ; 229.3,36.77 230.09,35.98 ; 229.3,36.77 229.3,35.72 ; 229.3,36.77 230.09,37.56 ; 229.3,36.77 228.25,36.77 ; 229.3,36.77 228.51,37.56 ; 229.3,36.77 230.35,36.77 ; 229.3,36.77 228.51,35.98 ; MH1.1 234.22,166.2 ; MH1.1 232.5,165.56 ; MH1.1 234.86,167.93 ; MH1.1 234.22,169.65 ; MH1.1 230.14,167.93 ; MH1.1 230.78,169.65 ; MH1.1 232.5,170.29 ; MH1.1 230.78,166.2 ; 44.07,171.1 45.93,171.1 ; 44.07,171.1 45.44,169.73 ; 44.07,171.1 42.21,171.1 ; 54.03,30.15 54.86,29.31 ; 54.03,30.15 54.03,29.04 ; 54.03,30.15 53.19,29.31 ; 54.03,30.15 54.86,30.99 ; 54.03,30.15 52.91,30.15 ; 54.03,30.15 55.14,30.15 ; 54.03,30.15 53.19,30.99 ; 54.03,30.15 54.03,31.26